# Altium PCB VFD-Clock.PcbDoc (part 1 of 2) (continued)
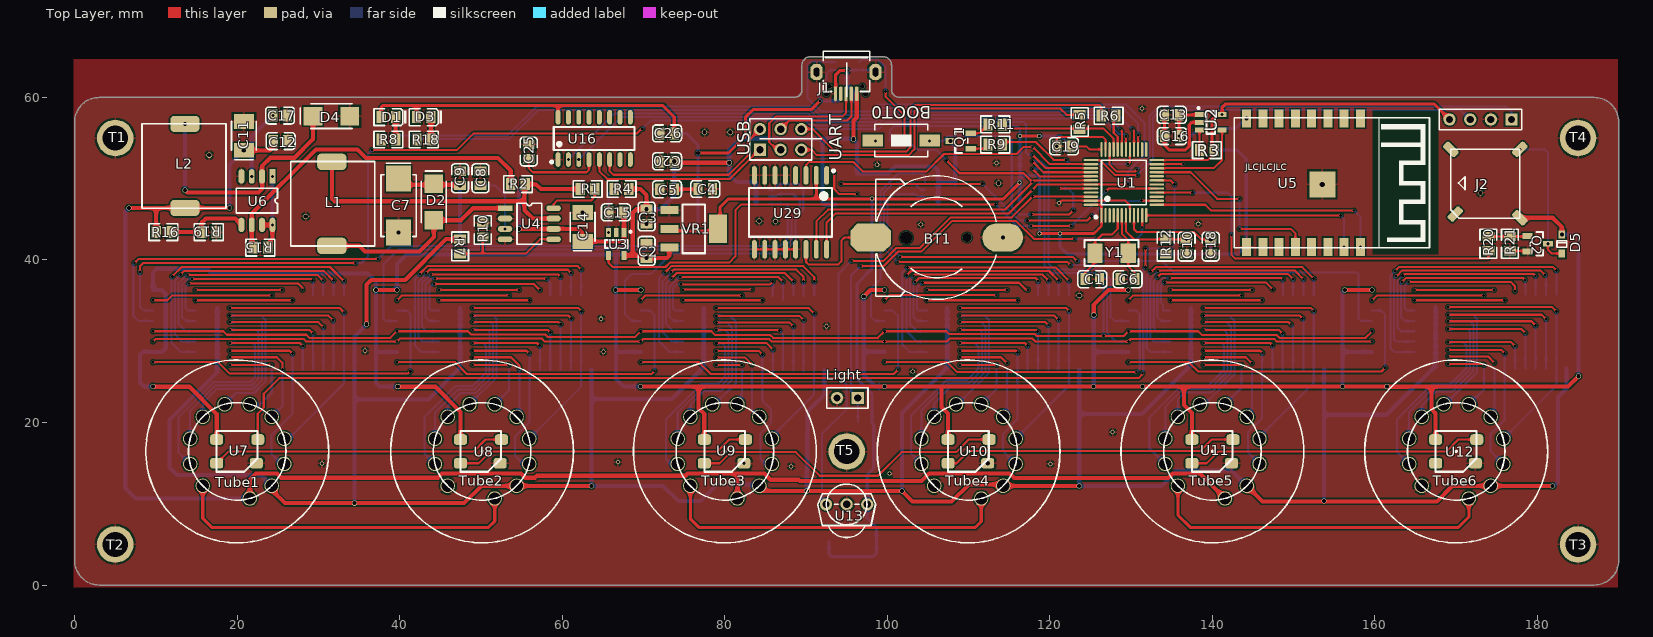
[diagram p0: Top Layer view]
## Part data
*1: "温湿度传感器"
BOOT0: "微动开关", LatestRevisionDate=17-Jul-2002, LatestRevisionNote="Re-released for DXP Platform.", PackageReference=SPST-2, Published=24-Mar-1999, Publisher="Altium Limited"
BT1: "备份电池", LatestRevisionDate=17-Jul-2002, LatestRevisionNote="Re-released for DXP Platform.", PackageReference=BAT-2, Published=24-Mar-1999, Publisher="Altium Limited"
C1 C6: library part "0805 20pF (200) 5% 50V", "贴片电容", Package=0805, SuppliersPartNumber=C1798, ComponentLink1Description=供应商链接, ComponentLink1URL=http://www.szlcsc.com/product/details_2150.html, Supplier=LC
C2 C5 C9 C10 C12 C15 C16 C18 C19 C22 C23 C24 C25 C26 C27 C28 C29 C30 C31 C32 C33: library part "0805 100nF(104) 10% 50V", "贴片电容", Package=0805, SuppliersPartNumber=C49678, ComponentLink1Description=供应商链接, ComponentLink1URL=http://www.szlcsc.com/product/details_50686.html, Supplier=LC
C3 C4 C13 C20 C21: library part "0805 10uF (106) 10% 25V", "贴片电容", Package=0805, SuppliersPartNumber=C15850, ComponentLink1Description=供应商链接, ComponentLink1URL=http://www.szlcsc.com/product/details_16532.html, Supplier=LC
C7 C11 C14: library part "Cap Pol", "极性电解电容", LatestRevisionDate=17-Jul-2002, LatestRevisionNote="Re-released for DXP Platform.", PackageReference=RB7.6-15, Published=8-Jun-2000, Publisher="Altium Limited"
C8 C17: library part "0805 470pF (471) 10% 50V", "贴片电容", Package=0805, SuppliersPartNumber=C1743, ComponentLink1Description=供应商链接, ComponentLink1URL=http://www.szlcsc.com/product/details_2095.html, Supplier=LC
D1: library part "0805 红灯", "发光二极管", Package=0805, SuppliersPartNumber=C2295, ComponentLink1Description=供应商链接, ComponentLink1URL=http://www.szlcsc.com/product/details_2668.html, Supplier=LC
D2 D4: library part Diode, "二极管", PackageDocument=Sep-1996, Code_JEDEC=DO-214-AB, LatestRevisionDate=17-Jul-2002, LatestRevisionNote="Re-released for DXP Platform.", PackageReference=SMC, Published=8-Jun-2000, Publisher="Altium Limited"
D3: library part "0805 蓝灯", "发光二极管", Package=0805, SuppliersPartNumber=C2293, ComponentLink1Description=供应商链接, ComponentLink1URL=http://www.szlcsc.com/product/details_2666.html, Supplier=LC
D5: library part "SOD-323 1N4148WS T4", "二极管", Package=SOD-323, SuppliersPartNumber=C2128, ComponentLink1Description=供应商链接, ComponentLink1URL=http://www.szlcsc.com/product/details_2485.html, Supplier=LC
J1: "MicroUSB接口"
J2: "蜂鸣器"
L1 L2: library part Inductor, "电感", Code_IEC=1005, Code_JEITA=0402, LatestRevisionDate=17-Jul-2002, LatestRevisionNote="Re-released for DXP Platform.", PackageReference=0402-A, Published=8-Jun-2000, Publisher="Altium Limited"
Light: library part , "光敏电阻", LatestRevisionDate=17-Jul-2002, LatestRevisionNote="Re-released for DXP Platform.", Publisher="Altium Limited"
P1: library part "Header 3X2", "Header, 3-Pin, Dual row", LatestRevisionDate=17-Jul-2002, LatestRevisionNote="Re-released for DXP Platform.", Publisher="Altium Limited"
P3: "接插件", LatestRevisionDate=17-Jul-2002, LatestRevisionNote="Re-released for DXP Platform.", Publisher="Altium Limited"
Q1 Q2: library part "SOT-23 SS8050 Y1", "三极管", Package=SOT-23, SuppliersPartNumber=C2150, ComponentLink1Description=供应商链接, ComponentLink1URL=http://www.szlcsc.com/product/details_2507.html, Supplier=LC
R1 R2 R7 R10 R15: library part "0805 100Ω (1000) 1%", "贴片电阻", Package=0805, SuppliersPartNumber=C17408, ComponentLink1Description=供应商链接, ComponentLink1URL=http://www.szlcsc.com/product/details_18096.html, Supplier=LC
R3 R4 R13: library part "0805 10KΩ (1002) 1%", "贴片电阻", Package=0805, SuppliersPartNumber=C17414, ComponentLink1Description=供应商链接, ComponentLink1URL=http://www.szlcsc.com/product/details_18102.html, Supplier=LC
R5 R6: library part "0805 10Ω (10R0) 1%", "贴片电阻", Package=0805, SuppliersPartNumber=C17415, ComponentLink1Description=供应商链接, ComponentLink1URL=http://www.szlcsc.com/product/details_18103.html, Supplier=LC
R8 R9 R12 R14 R17 R18 R20 R21: library part "0805 1KΩ (1001) 1%", "贴片电阻", Package=0805, SuppliersPartNumber=C17513, ComponentLink1Description=供应商链接, ComponentLink1URL=http://www.szlcsc.com/product/details_18201.html, Supplier=LC
R11: library part "0805 1.5KΩ (1501) 1%", "贴片电阻", Package=0805, SuppliersPartNumber=C4310, ComponentLink1Description=供应商链接, ComponentLink1URL=http://www.szlcsc.com/product/details_4717.html, Supplier=LC
R16 R19: library part "0805 3.3KΩ (3301) 1%", "贴片电阻", Package=0805, SuppliersPartNumber=C26010, ComponentLink1Description=供应商链接, ComponentLink1URL=http://www.szlcsc.com/product/details_26753.html, Supplier=LC
Rp1 Rp2 Rp3 Rp4 Rp5 Rp6 Rp7 Rp8 Rp9 Rp10 Rp11 Rp12 Rp13 Rp14 Rp15 Rp16: library part "0603*4  4.7KΩ (472) 5%", "贴片排阻", Package=0603*4, SuppliersPartNumber=C1980, ComponentLink1Description=供应商链接, ComponentLink1URL=http://www.szlcsc.com/product/details_2332.html, Supplier=LC
Tube1 Tube2 Tube3 Tube4 Tube5 Tube6: "荧光数码管"
U1: "ARM", Package=LQFP-48_7x7x05P, SuppliersPartNumber=C8734, ComponentLink1Description=供应商链接, ComponentLink1URL=http://www.szlcsc.com/product/details_9243.html, Supplier=LC
U2 U3: "5V2A功率开关芯片"
U5: "ESP8266 串口WIFI 16Pin"
U13: "红外接收器"
U14 U15: "3通道RGB全彩驱动芯片"
U16: library part CH340G_[C14267], "USB", Package=SOIC-16_150mil, SuppliersPartNumber=C14267, ComponentLink1Description=供应商链接, ComponentLink1URL=http://www.szlcsc.com/product/details_14927.html, Supplier=LC
U17 U18 U19 U20 U21 U22: library part 74HC595D_[C5947], "74系列逻辑芯片", Package=SOIC-16_150mil, SuppliersPartNumber=C5947, ComponentLink1Description=供应商链接, ComponentLink1URL=http://www.szlcsc.com/product/details_6413.html, Supplier=LC
U23 U24 U25 U26 U27 U28: library part ULN2803ADW_[C9683], "大电流驱动", Package=SOIC-18_300mil, SuppliersPartNumber=C9683, ComponentLink1Description=供应商链接, ComponentLink1URL=http://www.szlcsc.com/product/details_10213.html, Supplier=LC
U29: library part DS3231M+TRL_[C37663], "实时时钟", Package=SOIC-16_300mil, SuppliersPartNumber=C37663, ComponentLink1Description=供应商链接, ComponentLink1URL=http://www.szlcsc.com/product/details_38643.html, Supplier=LC
VR1: library part "SOT-223 AMS1117-3.3", "低压差线性稳压(LDO)", Package=SOT-223, SuppliersPartNumber=C6186, ComponentLink1Description=供应商链接, ComponentLink1URL=http://www.szlcsc.com/product/details_6652.html, Supplier=LC
Y1: library part "SMD-5032_2P 8MHz 20ppm 20pF", "贴片晶振", Package=SMD-5032_2P, SuppliersPartNumber=C115962, ComponentLink1Description=供应商链接, ComponentLink1URL=http://www.szlcsc.com/product/details_117214.html, Supplier=LC

## Via types
v1: diameter 0.381, hole 0.381, Top Layer to Bottom Layer, 285 vias
v2: diameter 0.635, hole 0.508, Top Layer to Bottom Layer, 58 vias
v3: diameter 0.508, hole 0.381, Top Layer to Bottom Layer, 42 vias
v4: diameter 0.508, hole 0.508, Top Layer to Bottom Layer, 5 vias
v5: diameter 0.635, hole 0.635, Top Layer to Bottom Layer, 1 vias

## Nets (pads, with @x,y where several pads share a name; then routed paths per layer and width w, separated by ;. In a path a pad name is that pad's centre, name@x,y a point inside that pad or via, vN(x,y) a via of type N, cw(c..) or ccw(c..) an arc to the next point about the centre after c; other vN are vias at no path point)
595-CLK: Rp1.3 U1.40 U17.11 U18.11 U19.11 U20.11 U21.11 U22.11 | length 190.8
  Top Layer w0.254: v1(9.656,29.96) 9.987,30.29 28.17,30.29 28.5,29.96 v1(39.656,29.96) 40.012,30.316 57.507,30.316 57.862,29.96 v1(69.656,29.96) 69.961,30.265 85.472,30.265 85.777,29.96 v1(99.656,29.96) 107.291,29.96 107.672,30.341 117.857,30.341 118.238,29.96 v1(129.656,29.96) 129.987,30.29 147.601,30.29 147.931,29.96 v1(159.656,29.96) ; v1(117.865,52.141) 119.212,50.793 U1.40@125.059,50.793
  Bottom Layer w0.254: v1(117.865,52.141) 118.892,52.141 119.843,51.19 119.843,39.506 120.524,38.825 125.756,38.825 127.058,37.523 127.058,31.046 128.144,29.96 v1(129.656,29.96)
595-DIN: Rp1.2 U1.39 U17.14 | length 143.9
  Top Layer w0.254: v1(8.036,38.506) 8.036,39.214 8.446,39.624 v1(34.544,39.624) ; v1(36.576,53.518) 47.032,53.518 49.089,55.575 69.194,55.575 69.753,56.134 v1(69.85,56.134) ; v1(117.865,52.941) 119.512,51.293 U1.39@125.059,51.293
  Bottom Layer w0.254: v1(8.036,38.506) 8.036,34.23 8.496,33.77 U17.14@9.656,33.77 ; v1(34.544,39.624) 35.293,39.624 36.081,40.413 36.081,53.023 v1(36.576,53.518) ; v1(69.85,56.134) 70.875,57.159 89.907,57.159 90.962,56.104 98.942,56.104 99.833,56.995 116.806,56.995 117.07,56.732 117.07,53.201 117.33,52.941 v1(117.865,52.941)
595-Latch: Rp1.4 U1.41 U17.12 U18.12 U19.12 U20.12 U21.12 U22.12 | length 188.5
  Top Layer w0.254: v1(9.656,31.23) 18.289,31.23 18.721,30.798 28.5,30.798 28.881,30.417 38.844,30.417 v1(39.656,31.23) 48.388,31.23 48.795,30.824 57.913,30.824 58.193,30.544 68.971,30.544 v1(69.656,31.23) 78.36,31.23 78.843,30.747 85.625,30.747 85.955,30.417 98.844,30.417 v1(99.656,31.23) 107.265,31.23 107.621,30.874 118.147,30.874 118.376,30.646 129.072,30.646 v1(129.656,31.23) 138.253,31.23 138.736,30.747 147.931,30.747 148.286,30.392 158.818,30.392 v1(159.656,31.23) ; v1(117.865,51.19) 118.763,50.293 U1.41@125.059,50.293
  Bottom Layer w0.254: v1(117.865,51.19) 118.801,51.19 119.33,50.661 119.33,39.333 120.27,38.393 125.578,38.393 126.62,37.35 v1(126.62,30.671)
595-OE: U1.14 U14.6 | length 41.7
  Top Layer w0.254: v1(94.337,49.373) v1@111.684,49.373 ; v1(117.221,44.831) 124.575,44.831 v1(125.122,45.378) ; v1(131.294,47.293) U1.14@133.159,47.293
  Bottom Layer w0.254: v1(111.684,49.378) 116.23,44.831 v1(117.221,44.831) ; v1(125.122,45.378) 127.027,47.283 v1@131.294,47.283
+2.5: C11.1 C12.1 L2.1 R16.2 Tube1.1 Tube3.1 Tube5.1 | length 207.2
  Top Layer w0.508: v2(6.692,46.407) 10.032,46.407 ; R16.2@10.032,43.434 10.032,46.407 ; v2(19.05,46.407) L2.1@13.565,46.407 10.032,46.407 ; v2(20.804,53.48) C11.1@20.829,53.48 24.007,53.48 24.46,53.934 C12.1@24.46,54.623 ; Tube1.1@21.559,10.648 21.559,12.972 22.297,13.71 24.895,13.71 25.397,13.208 44.707,13.208 45.215,13.716 54.941,13.716 55.449,13.208 56.648,13.208 56.89,13.45 75.144,13.45 75.405,13.71 81.559,13.71 ; Tube3.1@81.559,10.648 81.559,13.71 ; Tube5.1@141.559,10.648 138.492,13.716 135.128,13.716 134.561,13.149 115.626,13.149 115.059,13.716 105.156,13.716 104.23,12.79 89.252,12.79 89.088,12.954 85.65,12.954 84.894,13.71 81.559,13.71
  Bottom Layer w0.508: v2(6.692,46.407) 6.224,45.939 6.224,11.926 7.502,10.648 Tube1.1@21.559,10.648 ; v2(19.05,46.407) 19.05,51.727 v2(20.804,53.48)
+3.3V: *1.5 C4.2 C5.2 C18.2 C19.2 C21.1 C22.1 C26.2 C33.2 D1.A D3.A P3.4 R3.2 R12.2 R14.2 R17.2 Rp1.5 Rp1.6 Rp1.7 Rp1.8 Rp2.5 Rp2.6 Rp2.7 Rp2.8 U1.1 U1.9 U1.24 U1.36 U1.48 U2.5 U13.3 U16.16 U29.2 VR1.2 | length 344.2
  Top Layer w0.254: v3(122.633,53.988) 124.498,53.988 124.893,53.593 U1.36@126.359,53.593 ; U1.48@125.059,46.793 126.144,46.793 126.359,46.578 U1.1@126.359,45.493 126.359,44.184 125.42,43.244 ; U1.9@130.359,45.493 130.359,43.772 130.684,43.447 137.733,43.447 138.646,42.534 v2(139.803,42.534) ; U1.24@133.159,52.293 139.415,52.293 140.209,53.087 v4(140.209,53.518)
  Top Layer w0.381: D1.A@37.72,57.578 37.72,58.802 37.91,58.992 42.063,58.992 ; D3.A@42.063,57.57 42.063,58.992 ; U16.16@59.488,57.558 59.488,58.992 ; VR1.2@73.43,43.574 v3(76.709,43.574) 79.43,43.574 79.43,46.524 80.418,47.511 91.263,47.511 ; v3(73.788,55.575) 73.788,57.596 72.392,58.992 59.488,58.992 ; C5.2@74.17,48.705 76.683,48.705 v3(76.708,48.731) ; v4(76.733,53.162) 80.467,53.162 82.575,55.27 82.575,57.607 83.464,58.496 90.627,58.496 v1(91.694,59.563) ; U29.2@91.263,50.41 91.263,47.511 ; v3(116.282,49.518) 114.276,47.511 91.263,47.511 ; v3@116.511,55.258 v3(118.695,55.258) ; v3(118.721,43.244) v3(121.261,43.244) 125.42,43.244 ; R3.2@139.954,53.874 139.954,57.317 140.519,57.882 v3(141.205,57.882) 141.205,58.782 141.63,59.207 167.274,59.207 P3.4@169.191,57.29 ; 42.063,58.992 59.488,58.992
  Bottom Layer w0.254: v1(91.694,59.563) 91.694,61.468 92.533,62.307 92.533,62.954 92.943,63.364 *1.5@93.595,63.364 ; R17.2@100.179,54.686 100.33,54.838 100.33,55.973 100.846,56.49 115.976,56.49 116.308,56.158 v3(116.308,55.233)
  Bottom Layer w0.381: v3(73.788,55.575) 75.249,55.575 76.708,54.116 v3(76.708,48.731) v3(76.709,43.574) v3(76.709,43.574) ; v1(91.694,59.563) 94.004,59.563 C33.2@94.03,59.588 ; C21.1@92.814,5.322 92.814,3.848 93.168,3.493 98.248,3.493 98.656,3.901 C22.1@98.656,5.322 98.656,7.133 97.537,8.252 U13.3@97.537,9.922 97.537,13.593 98.334,14.39 98.334,19.716 R14.2@98.122,19.927 98.122,23.524 96.291,25.355 96.291,37.096 98.096,38.901 v3(98.096,47.562) ; v3(116.308,55.233) 116.308,53.908 Rp1.8@116.325,53.891 Rp1.7@116.325,52.941 Rp1.6@116.325,52.141 Rp1.5@116.325,51.19 116.325,50.382 ; Rp2.5@116.325,47.126 Rp2.6@116.325,47.823 Rp2.7@116.325,48.623 Rp2.8@116.325,49.573 116.325,50.382 ; v3(118.695,55.258) 121.363,55.258 v3(122.633,53.988) ; v3(118.721,43.244) 118.721,50.128 118.467,50.382 116.325,50.382 ; v3(121.261,43.244) 121.261,41.644 122.151,40.754 v3(134.266,40.754) 139.803,40.754 ; v2(139.803,42.534) 139.803,40.754 ; v4(140.209,53.518) 143.078,53.518 144.172,52.424 144.172,41.792 143.134,40.754 139.83,40.754 139.803,40.754
+5: C2.2 C3.2 C20.2 C23.2 C24.2 C27.1 C28.1 C29.1 C30.1 C31.1 C32.1 D5.2 J1.1 J2.1 Q1.3 R4.2 Rp3.5 Rp3.6 Rp3.7 Rp3.8 Rp4.5 Rp4.6 Rp4.7 Rp4.8 U3.5 U7.1 U8.1 U9.1 U10.1 U11.1 U12.1 U14.8 U15.8 U17.10 U17.16 U18.10 U18.16 U19.10 U19.16 U20.10 U20.16 U21.10 U21.16 U22.10 U22.16 VR1.3 | length 481.6
  Top Layer w0.508: v2@9.679,24.397 14.149,24.397 17.479,21.067 U7.1@17.479,17.905 ; v2(37.06,36.31) v2(39.656,36.31) ; v2@39.701,24.397 44.386,24.397 47.479,21.304 U8.1@47.479,17.905 ; v2(66.549,36.31) v2(69.656,36.31) ; U3.5@67.601,40.571 67.646,40.526 68.683,40.526 ; R4.2@68.201,48.731 69.623,48.731 70.385,47.969 v2(70.385,46.242) 69.116,46.242 68.683,45.81 68.683,40.526 ; v2(69.635,24.423) 76.785,24.423 ; VR1.3@73.176,41.528 73.176,40.524 72.873,40.22 v2(70.385,40.22) 70.079,40.526 68.683,40.526 ; v2(73.788,52.14) 73.958,51.97 v2(80.55,51.97) ; U9.1@77.479,17.905 77.479,21.037 76.785,21.73 76.785,24.423 ; v2(95.834,54.852) 95.834,57.134 96.24,57.54 J1.1@96.24,60.565 ; v2(97.104,35.509) 97.905,36.31 v2(99.656,36.31) ; v2@99.595,24.372 v2@99.635,24.372 ; U10.1@107.479,17.905 107.479,21.085 106.681,21.883 106.681,24.397 106.656,24.423 ; v2(125.4,33.223) 125.4,34.481 127.229,36.31 v2(129.656,36.31) ; U11.1@137.479,17.905 137.479,21.184 136.501,22.162 136.501,24.423 ; v2(156.296,36.322) 159.644,36.322 v2(159.656,36.31) ; v2@161.545,24.397 164.085,24.397 ; U12.1@167.479,17.905 167.479,21.13 166.955,21.654 166.955,24.423 ; J2.1@177.836,45.196 181.88,45.196 183.008,44.068 v2(183.008,43.153) ; v2(185.04,25.693) 183.77,24.423 166.955,24.423 ; 76.785,24.423 v2(99.635,24.423) 106.656,24.423 ; 106.656,24.423 v2(131.415,24.423) 136.501,24.423 ; 136.501,24.423 v2(161.471,24.423) 166.955,24.423
  Bottom Layer w0.508: v2(9.635,24.423) 8.51,24.423 8.053,24.88 8.053,28.36 8.383,28.69 U17.10@9.656,28.69 10.72,28.69 11.212,29.182 11.212,35.818 10.72,36.31 U17.16@9.656,36.31 9.656,38.447 10.136,38.926 16.256,38.926 16.828,38.354 36.081,38.354 37.06,37.376 v2(37.06,36.31) ; v2@37.06,36.285 37.06,24.881 37.518,24.423 v2(39.767,24.423) ; 37.085,28.69 U18.10@39.656,28.69 ; v2(39.656,36.31) 39.656,39.516 40.819,40.679 69.926,40.679 v2(70.385,40.22) ; 66.6,40.653 66.6,28.741 ; v2(69.635,24.423) 67.514,24.423 66.6,25.337 66.6,28.741 ; U19.10@69.656,28.69 66.651,28.69 66.6,28.741 ; v2(70.385,46.242) 72.113,46.242 73.788,47.918 v2(73.788,52.14) ; Rp3.5@83.843,46.872 Rp3.6@83.843,47.823 Rp3.7@83.843,48.623 Rp3.8@83.843,49.573 81.447,49.573 80.55,50.47 v2(80.55,51.97) 80.55,53.51 81.955,54.915 92.02,54.915 ; U14.8@93.721,46.833 92.247,46.833 92.02,47.06 92.02,54.915 ; v2(97.104,35.509) 97.104,28.702 ; v2(99.635,24.423) 98.528,24.423 97.104,25.846 97.104,28.702 ; U20.10@99.656,28.69 99.644,28.702 97.104,28.702 ; Rp4.8@106.257,46.872 Rp4.7@106.257,47.823 Rp4.6@106.257,48.623 Rp4.5@106.257,49.573 ; v2(107.76,54.649) 108.355,54.053 108.355,49.379 108.161,49.573 Rp4.5@106.257,49.573 ; v2(125.4,33.223) 125.4,28.69 ; v2@125.477,24.448 125.4,24.526 125.4,28.69 ; U21.10@129.656,28.69 125.4,28.69 ; v2(156.017,24.409) 156.017,28.69 ; v2(156.296,36.322) 156.017,36.043 156.017,28.69 ; U22.10@159.656,28.69 156.017,28.69 ; v2(183.008,43.153) 184.509,43.153 185.04,42.622 v2(185.04,25.693) ; 92.02,54.915 95.771,54.915 v2(95.834,54.852) 96.264,54.422 U15.8@96.264,50.643 100.071,50.643 100.94,51.511 105.766,51.511 106.24,51.037 106.24,49.59 Rp4.5@106.257,49.573
  other v2: 125.376,24.448
+5#: C14.1 C15.1 R2.2 R15.2 U3.1 U4.6 U6.6 | length 66
  Top Layer w0.254: R15.2@21.794,41.704 R15.2@21.97,41.528
  Top Layer w0.508: R15.2@21.794,41.704 U6.6@21.794,44.311 21.794,45.704 29.694,53.604 34.798,53.604 35.842,52.559 52.089,52.559 53.67,50.978 v4(53.67,49.34) ; v2(54.687,43.803) 58.911,43.803 U4.6@58.932,43.825 61.981,43.825 62.511,43.295 C14.1@62.511,42.279 67.438,42.279 67.601,42.442 U3.1@67.601,43.371 67.601,45.75 C15.1@67.49,45.86
  Bottom Layer w0.508: v4(53.67,49.34) 54.052,49.34 54.687,48.705 v2(54.687,43.803)
+27: C7.1 C9.1 D2.2 R7.2 Rp5.1 Rp5.2 Rp5.3 Rp5.4 Rp6.1 Rp6.2 Rp6.3 Rp6.4 Rp7.1 Rp7.2 Rp7.3 Rp7.4 Rp8.1 Rp8.2 Rp8.3 Rp8.4 Rp9.1 Rp9.2 Rp9.3 Rp9.4 Rp10.1 Rp10.2 Rp10.3 Rp10.4 Rp11.1 Rp11.2 Rp11.3 Rp11.4 Rp12.1 Rp12.2 Rp12.3 Rp12.4 Rp13.1 Rp13.2 Rp13.3 Rp13.4 Rp14.1 Rp14.2 Rp14.3 Rp14.4 Rp15.1 Rp15.2 Rp15.3 Rp15.4 Rp16.1 Rp16.2 Rp16.3 Rp16.4 Tube1.2 Tube2.2 Tube3.2 Tube4.2 Tube5.2 Tube6.2 U23.10 U24.10 U25.10 U26.10 U27.10 U28.10 | length 449.1
  Top Layer w0.508: Tube1.2@24.249,12.201 24.249,11.707 25.884,10.072 v2(34.418,10.072) 47.931,10.072 50.061,12.201 v2(63.603,12.201) ; v2(35.917,32.094) 35.917,36.972 36.5,37.555 40.684,37.555 45.689,42.559 v2(47.423,42.559) ; C7.1@39.803,49.25 47.106,49.25 C9.1@47.169,49.187 ; Tube3.2@84.249,12.201 84.867,11.583 v2(90.086,11.583) v2(101.789,11.583) 103.098,10.275 107.921,10.275 110.029,12.383 114.067,12.383 Tube4.2@114.249,12.201 v2@123.365,12.201 ; Tube5.2@144.249,12.201 146.15,10.3 167.616,10.3 169.517,12.201 v2(181.872,12.201)
  Bottom Layer w0.508: Rp6.4@17.545,34.104 Rp6.3@17.545,33.154 Rp6.2@17.545,32.354 Rp6.1@17.545,31.404 17.545,27.09 Rp5.1@17.553,27.082 17.553,26.226 11.66,20.333 11.66,14.466 12.574,13.552 22.899,13.552 Tube1.2@24.249,12.201 ; v2(34.418,10.072) 34.418,22.848 ; v2(35.917,32.094) 34.418,30.595 U23.10@34.418,26.528 34.418,22.848 ; v2(47.423,42.559) v2(47.423,49.161) ; Rp8.4@47.44,34.104 Rp8.3@47.44,33.154 Rp8.2@47.44,32.354 Rp8.1@47.44,31.404 Rp7.4@47.44,29.782 Rp7.3@47.44,28.832 Rp7.2@47.44,28.032 Rp7.1@47.44,27.082 47.44,26.745 43.543,22.848 34.418,22.848 ; U24.10@63.603,26.528 63.603,22.893 ; Rp10.4@77.411,34.079 Rp10.3@77.411,33.129 Rp10.2@77.411,32.329 Rp10.1@77.411,31.378 Rp9.4@77.411,29.757 Rp9.3@77.411,28.807 Rp9.2@77.411,28.007 Rp9.1@77.411,27.057 77.411,26.825 73.479,22.893 63.603,22.893 ; Tube3.2@84.249,12.201 84.09,12.36 79.05,12.36 77.01,10.32 74.29,10.32 72.409,12.201 v2(63.603,12.201) 63.603,22.893 ; v2(90.086,11.583) 90.213,21.416 92.254,23.458 U25.10@92.254,26.477 ; v2(101.789,11.583) 101.789,21.161 107.384,26.756 Rp11.1@107.384,27.082 Rp11.2@107.384,28.032 Rp11.3@107.384,28.832 Rp11.4@107.384,29.782 Rp12.1@107.384,31.404 Rp12.2@107.384,32.354 Rp12.3@107.384,33.154 Rp12.4@107.384,34.104 ; U26.10@123.623,26.531 123.623,21.045 ; Rp14.4@137.354,34.104 Rp14.3@137.354,33.154 Rp14.2@137.354,32.354 Rp14.1@137.354,31.404 Rp13.4@137.354,29.782 Rp13.3@137.354,28.832 Rp13.2@137.354,28.032 Rp13.1@137.354,27.082 131.316,21.045 123.623,21.045 ; Tube5.2@144.249,12.201 142.366,14.085 135.612,14.085 133.718,12.191 v2(123.623,12.191) 123.623,21.045 ; v2(153.722,10.326) 153.722,20.955 ; U27.10@153.747,26.528 153.773,26.502 153.722,26.451 153.722,20.955 ; Rp16.4@167.475,34.206 Rp16.3@167.475,33.256 Rp16.2@167.475,32.456 Rp16.1@167.475,31.505 Rp15.4@167.475,29.884 Rp15.3@167.475,28.934 Rp15.2@167.475,28.134 Rp15.1@167.475,27.184 167.475,26.977 161.453,20.955 153.722,20.955 ; v2(181.872,12.201) 181.897,12.226 182.113,12.226 182.547,12.659 182.547,23.153 183.592,24.199 U28.10@183.592,26.651
BEEP: R20.1 U1.16 | length 49.3
  Top Layer w0.254: U1.16@133.159,48.293 137.548,48.293 v1(137.568,48.273) ; v1(142.343,43.09) 142.343,40.653 142.825,40.171 173.966,40.171 R20.1@173.966,41.109
  Bottom Layer w0.254: v1(137.568,48.273) 141.886,48.273 142.343,47.816 v1(142.343,43.09)
D+: J1.3 P1.3 | length 15.8
  Top Layer w0.254: P1.3@86.874,53.564 86.867,53.571 86.41,53.571 85.472,54.508 85.472,56.828 86.314,57.67 94.5,57.67 94.94,58.11 J1.3@94.94,59.753
D-: J1.2 P1.4 | length 11.4
  Top Layer w0.254: P1.4@86.874,56.104 87.932,57.162 95.072,57.162 95.59,57.68 J1.2@95.59,59.753
ESP-IO0: U1.21 U5.12 | length 24
  Top Layer w0.254: U1.21@133.159,50.793 137.319,50.793 140.589,47.523 v1(143.359,47.523) ; v1(143.359,43.828) 149.654,43.828 150.207,43.275 U5.12@150.207,41.618
  Bottom Layer w0.254: v1(143.359,43.828) v1(143.359,47.523)
ESP-ON: U1.22 U2.4 | length 12.1
  Top Layer w0.254: U1.22@133.159,51.293 140.193,51.293 141.205,52.305 U2.4@141.205,55.982
ESP-RX: U1.12 U5.15 | length 28
  Top Layer w0.254: U1.12@131.859,45.493 140.641,45.493 v1(155.793,45.493)
  Bottom Layer w0.254: v1(155.793,45.493) 156.207,45.079 v1(156.207,41.618)
ESP-TX: U1.13 U5.16 | length 29.4
  Top Layer w0.254: U1.13@133.159,46.793 139.135,46.793 139.863,46.065 v1(157.45,46.065)
  Bottom Layer w0.254: v1(157.45,46.065) 158.207,45.307 v1(158.207,41.618)
GND: *1.2 BT1.2 C1.2 C2.1 C3.1 C4.1 C5.1 C6.2 C7.2 C8.1 C9.2 C10.1 C11.2 C12.2 C13.2 C14.2 C15.2 C16.2 C17.1 C18.1 C19.1 C20.1 C21.2 C22.2 C23.1 C24.1 C25.1 C26.1 C27.2 C28.2 C29.2 C30.2 C31.2 C32.2 C33.1 D4.1 J1.0 J1.5 Light.2 P3.2 Q2.2 R10.1 R13.1 R19.1 R21.1 T1.1 T2.1 T3.1 T4.1 T5.1 Tube2.11 Tube4.11 Tube6.11 U1.8 U1.23 U1.35 U1.47 U2.2 U3.2 U4.2 U4.4 U5.9 U6.4 U7.3 U8.3 U9.3 U10.3 U11.3 U12.3 U13.2 U14.4 U15.4 U16.1 U17.8 U18.8 U19.8 U20.8 U21.8 U22.8 U23.9 U24.9 U25.9 U26.9 U27.9 U28.9 U29.5 U29.6 U29.7 U29.8 U29.9 U29.10 U29.11 U29.12 U29.13 VR1.1 | length 51.5
  Top Layer w0.254: U29.9@83.643,41.31 U29.10@84.913,41.31 U29.11@86.183,41.31 U29.12@87.453,41.31 U29.13@88.723,41.31 ; v3(120.853,53.988) 120.853,54.891 121.119,55.157 126.515,55.157 126.859,54.813 U1.35@126.859,53.593 ; v3@121.21,47.054 121.449,47.293 U1.47@125.059,47.293 129.302,47.293 129.859,46.736 U1.8@129.859,45.493 ; U1.23@133.159,51.793 v1(136.449,51.793) ; v3(176.607,41.109) 178.726,41.109 Q2.2@178.786,41.049
  Top Layer w0.381: J1.5@93.64,60.967 93.64,62.791 94.14,63.291 v4(95.021,63.291) ; C13.2@134.111,57.861 134.111,55.273 C16.2@134.136,55.248 134.136,54.078 134.671,53.543 136.703,53.543 137.16,54 137.16,56.617 137.475,56.932 U2.2@138.405,56.932
  Bottom Layer w0.254: v4(95.021,63.291) 95.094,63.364 *1.2@96.545,63.364 98.307,63.364 J1.0@98.552,63.119
  Bottom Layer w0.508: v4(95.021,63.291) 95.021,61.584 95.733,60.873 95.733,59.666 C33.1@95.81,59.588
  other v1: 82.356,14.984
  other v2: 112.356,14.984 123.623,35.631 114.225,42.762 39.854,43.397 70.385,44.462 50.217,44.574 86.258,44.755 84.249,44.78 28.444,45.358 62.511,45.835 172.982,48.26 113.685,49.437 16.566,52.895 77.52,55.723 80.67,55.723
  other v3: 100.28,13.71 88.17,14.598 120.06,14.9 30.435,14.96 66.85,15.12 127.73,18.81 103.13,26.27 65.07,28.71 35.74,28.83 92.52,31.84 64.79,32.76 128.677,37.631 104.12,44.357 138.26,44.45 121.134,47.002 98.757,51.714 113.436,51.92 131.359,58.623
  other v5: 153.529,49.298
Infrared: Rp2.3 U1.46 U13.1 | length 65.2
  Top Layer w0.254: v1(95.581,39.891) 99.544,39.891 101.119,41.466 104.011,41.466 107.793,45.248 115.32,45.248 v1(117.865,47.793) U1.46@125.059,47.793
  Bottom Layer w0.254: U13.1@92.457,10.002 91.984,10.476 91.984,18.641 94.997,21.654 94.997,24.613 94.001,25.609 94.001,38.311 v1(95.581,39.891)
INT#: Rp1.1 U1.38 U29.3 | length 39.1
  Top Layer w0.254: U29.3@89.993,50.41 89.993,51.678 90.348,52.033 95.839,52.033 96.963,50.908 104.843,50.908 106.979,53.044 115.924,53.044 116.792,53.912 117.883,53.912 120.001,51.793 U1.38@125.059,51.793
  other v1: 117.865,53.891
LED1: R8.2 U1.27 | length 99.6
  Top Layer w0.254: U1.27@130.859,53.593 v1(130.859,55.398)
  Bottom Layer w0.254: v1(37.719,54.827) 37.738,54.827 38.246,55.335 53.303,55.335 56.854,58.886 90.623,58.886 91.677,57.831 98.168,57.831 99.059,58.723 128.922,58.723 130.859,56.785 v1(130.859,55.398)
LED2: R18.2 U1.28 | length 93.9
  Top Layer w0.254: v1(130.151,56.101) 130.359,55.892 U1.28@130.359,53.593
  Bottom Layer w0.254: v1(42.075,54.827) 42.11,54.827 42.186,54.903 53.481,54.903 57.033,58.454 90.444,58.454 91.499,57.399 98.347,57.399 99.238,58.291 127.96,58.291 v1(130.151,56.101)
NetBT1_1: BT1.1 U29.14 | length 12.5
  Top Layer w0.254: U29.14@89.993,41.31 89.993,39.748 90.281,39.46 93.968,39.46 94.35,39.841 94.35,42.381 94.73,42.762 BT1.1@97.969,42.762
NetC8_2: C8.2 U4.3 | length 7.6
  Bottom Layer w0.254: v3(49.938,49.161) 51.749,49.161 52.96,47.95 v3(52.96,43.825)
NetC13_1: C13.1 C16.1 U2.1 U5.8 | length 14.3
  Top Layer w0.381: v1(135.916,55.248) 135.916,57.836 C13.1@135.891,57.861 138.384,57.861 U2.1@138.405,57.882
  Bottom Layer w0.381: v1(135.916,55.248) 137.391,55.248 138.303,56.159 142.824,56.159 144.083,57.418 v4(144.207,57.418)
NetC17_2: C17.2 U6.3 | length 8.6
  Bottom Layer w0.508: v3(21.794,50.283) 21.794,55.183 v3(24.384,57.773)
NetC25_2: C25.2 U16.4 | length 10.2
  Top Layer w0.254: C25.2@55.88,52.45 55.88,51.308 56.395,50.793 62.992,50.793 63.298,51.099 U16.4@63.298,52.358
NetD1_K: D1.K R8.1 | length 2.8
  Top Layer w0.254: R8.1@39.499,54.827 R8.1@39.5,54.827
  Top Layer w0.508: R8.1@39.5,54.827 D1.K@39.5,57.578
NetD2_1: D2.1 L1.2 U4.1 | length 25
  Top Layer w0.508: L1.2@31.65,41.746 35.027,41.746 35.723,41.049 42.418,41.049 44.197,42.828 D2.1@44.197,44.891 47.545,44.891 49.018,46.365 U4.1@52.96,46.365
NetD3_K: D3.K R18.1 | length 2.7
  Top Layer w0.254: D3.K@43.843,57.57 D3.K@43.855,57.557
  Top Layer w0.508: R18.1@43.855,54.827 D3.K@43.855,57.557
NetD4_2: D4.2 L2.2 U6.2 | length 31.3
  Top Layer w0.508: v2(13.565,48.578) 13.85,48.293 22.627,48.293 23.064,48.731 U6.2@23.064,50.283 23.064,51.562 24.08,52.578 27.052,52.578 29.334,54.86 D4.2@29.334,57.697
  Bottom Layer w0.508: v2(13.565,48.578) v2(13.565,56.745)
NetD5_1: D5.1 J2.2 Q2.3 | length 17.5
  Top Layer w0.254: v1(181.286,41.999) 181.286,41.282 181.775,40.794 D5.1@183.008,40.794
  Bottom Layer w0.254: v1(177.836,53.604) 180.896,53.604 181.29,53.21 181.286,53.206 v1(181.286,41.999)
NetL1_1: L1.1 R1.2 R2.1 U4.7 | length 41.7
  Top Layer w0.508: 31.65,51.067 31.65,47.537 31.954,47.232 55.368,47.232 ; U4.7@58.932,45.095 56.393,45.095 55.368,46.119 55.368,47.232 ; R1.2@62.23,48.731 57.371,48.731 56.792,49.309 55.481,49.309 R2.1@55.45,49.34 55.368,49.258 55.368,47.232
NetP1_5: P1.5 R5.1 | length 40
  Top Layer w0.254: P1.5@89.414,53.564 90.684,53.564 91.34,52.908 102.63,52.908 103.327,53.605 103.327,58.293 103.657,58.623 121.308,58.623 122.069,57.862 R5.1@123.673,57.862
NetP1_6: P1.6 R6.2 | length 44.7
  Top Layer w0.254: P1.6@89.414,56.104 90.823,56.104 93.587,53.34 102.337,53.34 102.845,53.848 102.845,58.445 103.454,59.055 126.136,59.055 126.314,58.877 126.314,57.607 R6.2@126.479,57.443
NetQ1_1: Q1.1 R9.2 | length 2.3
  Top Layer w0.254: Q1.1@110.26,53.699 111.891,53.699 R9.2@112.389,54.197
NetQ1_2: Q1.2 R11.1 | length 2.6
  Top Layer w0.254: Q1.2@110.26,55.599 111.333,55.599 112.43,56.696 R11.1@112.44,56.686
NetQ2_1: Q2.1 R20.2 R21.2 | length 4.8
  Top Layer w0.254: R20.2@173.966,42.889 R21.2@176.607,42.889 178.726,42.889 Q2.1@178.786,42.949
NetR1_1: R1.1 U4.8 | length 6.9
  Top Layer w0.254: U4.8@58.932,46.365 58.932,46.879 59.346,47.293 63.537,47.293 64.01,47.766 R1.1@64.01,48.731